# Allegro board 6089-119-RevB_08.brd (continued)
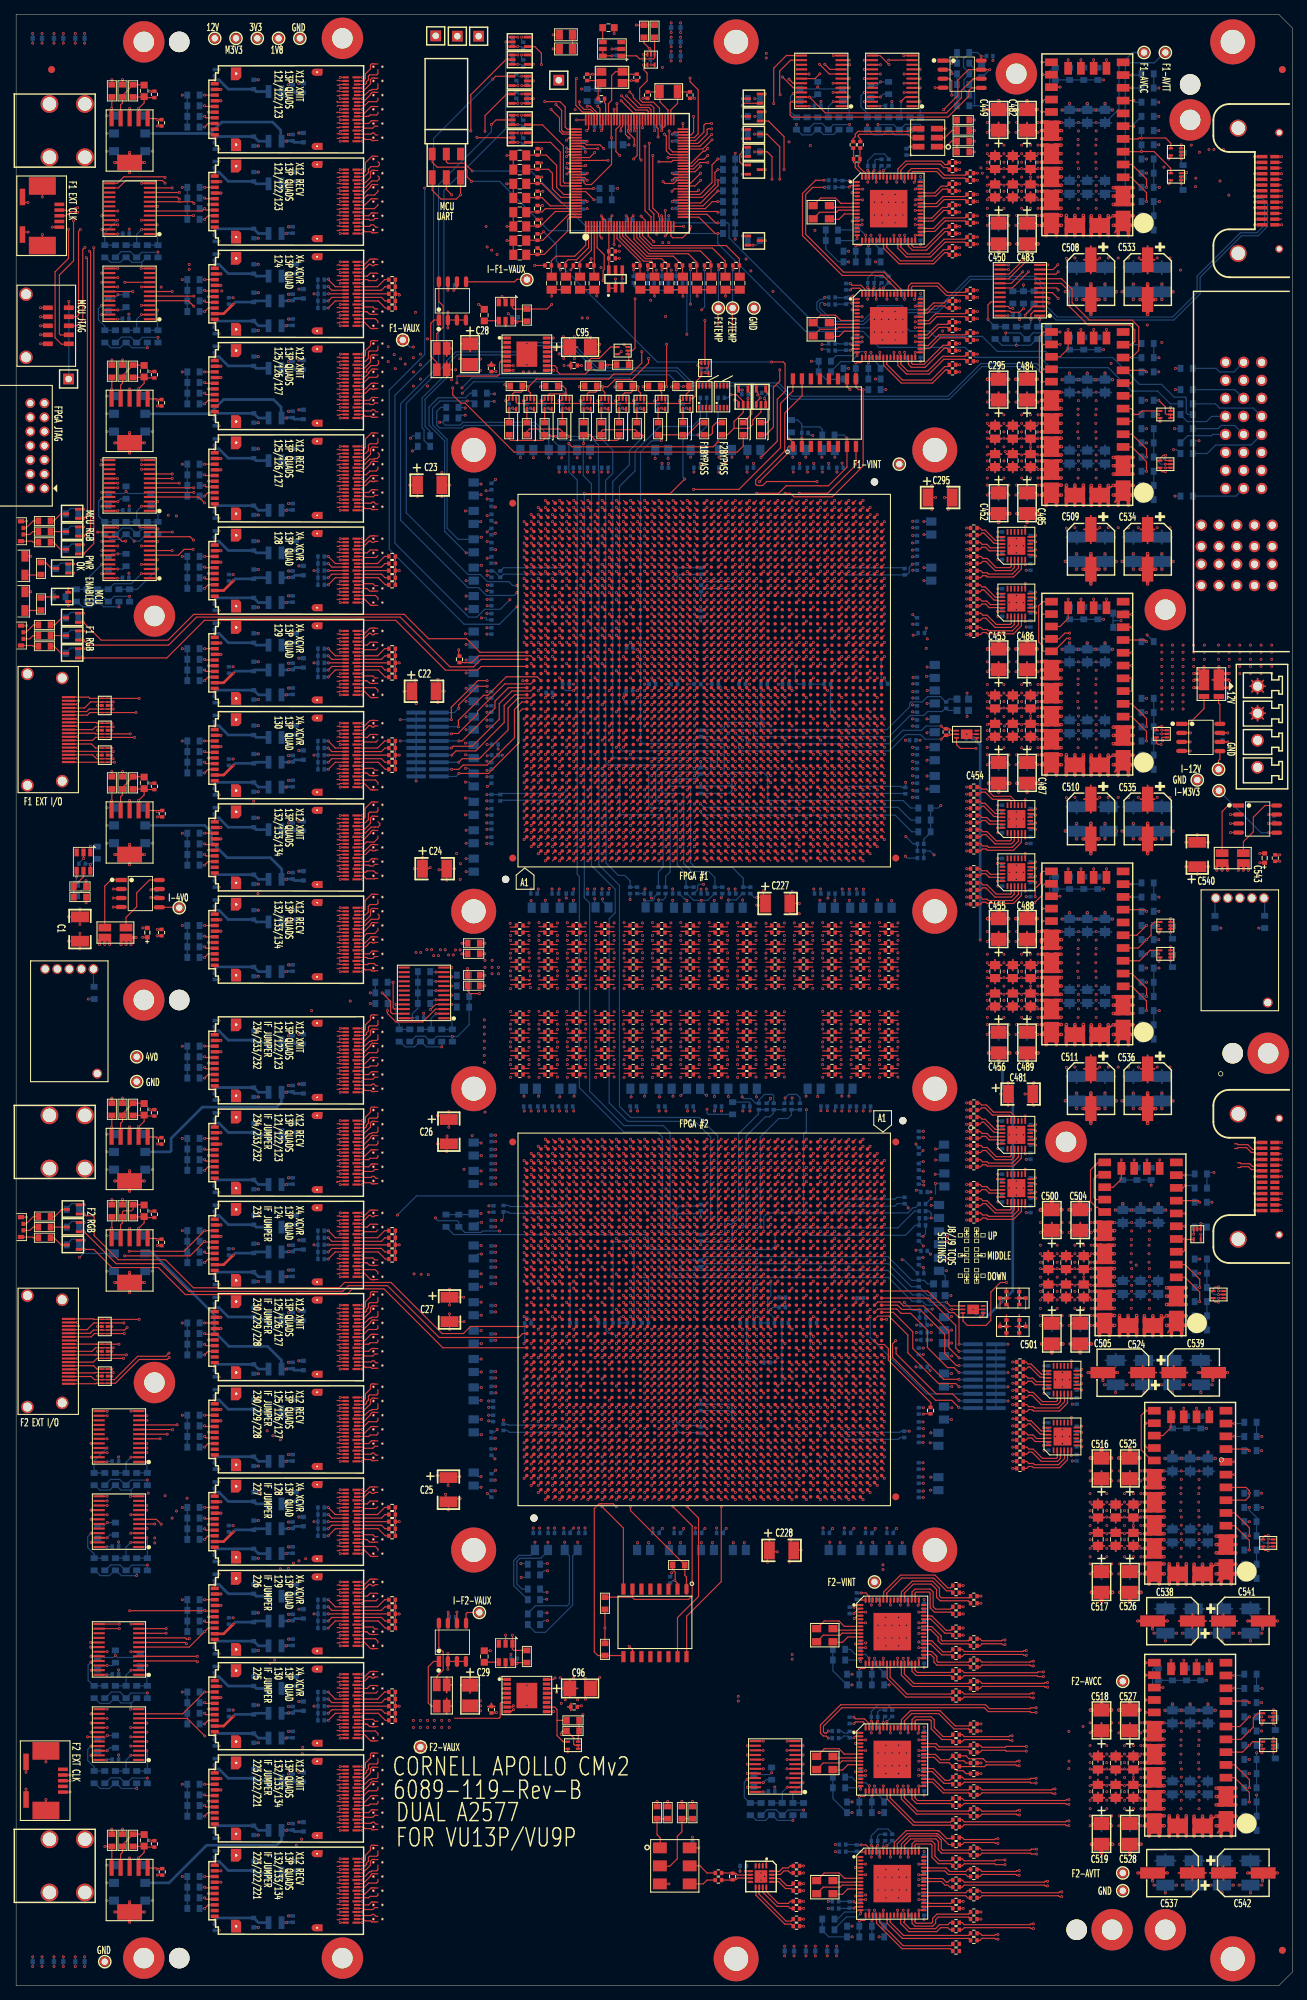
[diagram p0: board, top side]
## Routing (per net, layer and track width the routed paths; a pad name or vN(x,y) marks a point on that pad's centre or on a via; arc(x,y) is an arc through that point) (continued)
  BOTTOM w0.165: v1(12.07,198.97) 12.44,198.97 R661.1
N9079797: length 17.8
  TOP w0.165: U14.20 v1(12.07,249.43) ; U15.22 v1(14.33,236.12)
  SIG1 w0.079: v1(14.33,236.12) 13.8,236.66 13.8,247.69 v1(12.07,249.43)
  BOTTOM w0.165: v1(14.33,236.12) 15.09,236.12 R639.1
N9079819: length 19.2
  TOP w0.165: U14.19 v1(14.33,250.07) ; U15.23 v1(12.07,235.47)
  SIG2 w0.079: v1(12.07,235.47) 12.47,235.47 12.75,235.75 12.75,248.49 v1(14.33,250.07)
  BOTTOM w0.165: v1(12.07,235.47) 12.44,235.47 R659.1
N9085638: length 11.3
  TOP w0.165: C154.1 91.75,241.06 91.75,242.2 R125.2 91,243.35 88.7,243.35 85.5,246.55 U68.14
N9085714: length 12.6
  TOP w0.165: C155.1 93.95,240.86 R127.2 92.65,243.7 88.9,243.7 85.9,246.7 U68.15
N9085979: length 8.5
  TOP w0.165: U68.12 84.7,246.2 87.95,242.95 R118.2 87.95,240.86 C135.1
N9086055: length 9.9
  TOP w0.165: C137.1 89.75,241.06 89.75,242.2 R121.2 89.7,242.65 89.7,242.83 89.53,243 88.45,243 85.1,246.35 U68.13
N9089056: length 10.2
  TOP w0.165: C41.1 71.96,243.95 R92.2 74.45,243.95 77.75,247.25 77.75,248.9 78.05,249.2 U68.128
N9089132: length 8.6
  TOP w0.165: U68.127 77.9,249.6 74.25,245.95 R91.2 71.96,245.95 C40.1
N9089208: length 8
  TOP w0.165: U68.126 76,250 73.9,247.9 73.55,247.9 R90.2 71.96,247.95 C39.1
N9089284: length 7.3
  TOP w0.165: C38.1 71.96,249.95 R89.2 74.15,249.95 74.6,250.4 U68.125
N9089360: length 7.6
  TOP w0.165: U68.124 75.3,250.8 74.15,251.95 R88.2 71.96,251.95 C37.1
N9089436: length 8.2
  TOP w0.165: U68.123 76.85,251.2 74.1,253.95 R87.2 71.96,253.95 C36.1
N9090009: length 10
  TOP w0.165: U68.121 76.8,252 75.6,253.2 75.6,255.4 75.05,255.95 R86.2 71.96,255.95 C35.1
N9090085: length 11.2
  TOP w0.165: C34.1 71.96,257.95 R85.2 74.73,257.95 76.2,256.48 76.2,253.4 77.2,252.4 U68.120
N9090161: length 7.1
  TOP w0.165: U68.4 81.5,242.45 R104.2 81.45,240.86 C98.1
N9090237: length 7.8
  TOP w0.165: U68.3 81.1,244.55 79.45,242.9 R102.2 79.45,240.86 C94.1
N9090313: length 9.2
  TOP w0.165: C75.1 77.45,240.86 R96.2 77.45,242.85 77.8,243.2 79,243.2 80.7,244.9 U68.2
N9090389: length 10.7
  TOP w0.165: U68.1 80.3,245.25 78.75,243.7 76.1,243.7 75.45,243.05 R94.2 75.45,240.86 C74.1
N9091494: length 15.3
  TOP w0.165: U84.18 112.62,268.73 v1(113.3,269.4) ; U88.22 v1(121.83,266.12)
  SIG3 w0.079: v1(121.83,266.12) 121.81,266.1 119.28,266.1 115.98,269.4 v1(113.3,269.4)
  BOTTOM w0.165: v1(121.83,266.12) 122.24,266.54 R315.1
N9091498: length 12.8
  TOP w0.165: 120.7,265.48 v1(119.57,265.48) ; U84.17 v1(111.78,269.38)
  SIG3 w0.079: v1(111.78,269.38) 112.03,269.38 115.92,265.48 v1(119.57,265.48)
  BOTTOM w0.165: v1(119.57,265.48) 120.13,266.04 R332.1
N9091502: length 399.1
  TOP w0.165: U83.22 v1(105.33,28.62) ; v1(108.04,268.95) 109.57,267.43 U84.20
  PWR3 w0.152: v1(40.4,33.6) 40.5,33.6 40.75,33.35 54.7,33.35 59.42,28.62 v1(105.33,28.62)
  PWR4 w0.152: v1(108.04,268.95) 107.64,269.35 81.79,269.35 81.41,269.73 81.09,269.73 80.8,269.44 50.36,269.44 49.38,270.43 28.43,270.43 25.35,267.35 25.35,251.46 25.49,251.32 25.49,250.98 25.35,250.84 25.35,249.65 25.41,249.59 25.41,249.26 25.35,249.2 25.35,238.35 25.46,238.24 25.46,237.91 25.35,237.8 25.35,236.92 25.46,236.82 25.46,236.48 25.35,236.38 25.35,211.35 25.46,211.24 25.46,210.91 25.35,210.8 25.35,210.7 25.46,210.59 25.46,210.26 25.35,210.15 25.35,203.92 25.41,203.87 25.41,203.53 25.35,203.48 25.35,202.57 25.36,202.57 25.36,202.23 25.35,202.23 25.35,56.55 25.96,55.94 25.96,46.39 38.75,33.6 v1(40.4,33.6)
  BOTTOM w0.165: v1(105.33,28.62) 105.74,29.04 R392.1
N9091508: length 401.8
  TOP w0.165: U84.19 109.53,268.07 v1(108.95,268.65) ; 104.2,27.98 v1(103.1,27.98)
  PWR3 w0.152: v1(103.1,27.98) 55.48,27.98 52.1,31.35 50.3,31.35 48.95,32.7 v1(40.35,32.7)
  PWR4 w0.152: v1(40.35,32.7) 37.6,32.7 24.83,45.47 24.83,49.09 24.7,49.22 24.7,79.2 24.08,79.82 24.08,80.12 24.09,80.13 24.09,80.67 24.08,80.68 24.08,93.12 24.09,93.13 24.09,93.67 24.08,93.68 24.08,106.12 24.09,106.13 24.09,106.67 24.08,106.68 24.08,119.12 24.09,119.13 24.09,119.67 24.08,119.68 24.08,135.12 21.18,138.02 21.18,139.88 24.08,142.78 24.08,188.12 24.09,188.13 24.09,188.67 24.08,188.68 24.08,201.12 24.09,201.13 24.09,201.67 24.08,201.68 24.08,209.72 23.9,209.9 23.9,267.05 27.9,271.05 50.69,271.05 50.83,271.19 52.21,271.19 53.15,270.25 87.9,270.25 88.3,269.85 107.75,269.85 v1(108.95,268.65)
  BOTTOM w0.165: R406.1 103.16,28.04 v1(103.1,27.98)
N9281788: length 8.6
  TOP w0.165: U77.AR20 v1(87.61,100.29)
  BOTTOM w0.165: v1(87.61,100.29) 88.1,99.8 89.05,99.8 89.15,99.7 R445.2
N9328942: length 43.3
  TOP w0.165: U75.AH19 v1(99.39,176.51)
  SIG1 w0.079: v1(99.39,176.51) 99.88,177 122.65,177 124.85,174.8 124.85,162.48 v1(125.41,161.91)
  BOTTOM w0.165: R306.2 R305.1 126.45,160.9 125.42,161.93 125.42,161.91 v1(125.41,161.91)
N9329074: length 41.7
  TOP w0.165: U75.AJ18 v1(100.39,175.51)
  SIG1 w0.079: v1(125.36,159.16) 124,160.51 124,173.55 122.55,175 100.9,175 v1(100.39,175.51)
  BOTTOM w0.165: R307.2 125.6,158.9 125.35,159.15 125.35,159.16 v1(125.36,159.16)
N9329322: length 41.1
  TOP w0.165: U75.AG19 v1(98.39,176.51)
  BOTTOM w0.165: C890.1 96.6,176.95 98,176.95 98.39,176.56 98.39,176.54 ; 98.39,176.54 v1(98.39,176.51) ; 98.39,176.54 98.85,177 99.55,177 99.85,177.3 99.85,177.8 100.05,178 104.55,178 104.9,177.65 104.9,177.3 105.2,177 122.75,177 125.95,180.2 125.95,180.71 126.14,180.9 127.75,180.9 128.5,181.65 130.3,181.65 131.05,180.9 C715.1 131.5,181.3 L1.2
N9329407: length 41
  TOP w0.165: U75.AH18 v1(99.39,175.51) ; U75.AG18 v1(98.39,175.51) ; U75.AJ19 v1(100.39,176.51)
  BOTTOM w0.165: C890.2 97.9,176 v1(98.39,175.51) v1(99.39,175.51) v1(100.39,176.51) 100.41,176.51 100.85,176.95 103.65,176.95 103.95,176.65 103.95,176.17 104.12,176 123.05,176 126.04,178.99 127.94,178.99 128.5,179.55 130.55,179.55 131,180 C715.2 131.4,179.7 L2.2
N9543401: length 6.9
  TOP w0.165: U102.21 137.43,237.28 137,236.85 v1(137,234.8)
  BOTTOM w0.165: R286.1 R287.2 137,234.76 v1(137,234.8)
N9543477: length 4.9
  TOP w0.165: v1(143.05,234.8) 143.05,235.55 143.47,235.97 U102.2
  BOTTOM w0.165: R284.2 R282.1 143.05,234.31 v1(143.05,234.8)
N9543553: length 3.2
  TOP w0.165: 144.3,235.32 v1(144.3,234.8)
  BOTTOM w0.165: v1(144.3,234.8) 144.3,234.06 R268.2 R267.1
N9544090: length 6.6
  TOP w0.165: U84.21 109.72,266.77 v1(109.55,266.6)
  BOTTOM w0.165: v1(109.55,266.6) 109.15,266.2 109.15,264.05 109.94,263.26 R381.2 R376.1
N9544166: length 5.1
  TOP w0.165: 116.3,265.48 v1(115.2,265.48)
  BOTTOM w0.165: v1(115.2,265.48) 114.5,264.78 R366.1 R374.2
N9544242: length 4.2
  TOP w0.165: U84.1 v1(117.43,264.82)
  BOTTOM w0.165: v1(117.43,264.82) 117.43,263.33 R345.1 R359.2
N9547158: length 6.1
  TOP w0.165: U83.3 v1(110.93,28.62)
  BOTTOM w0.165: v1(110.93,28.62) 109.5,27.19 R382.2 R378.1
N9547234: length 5.1
  TOP w0.165: 109.8,27.98 v1(108.7,27.98)
  BOTTOM w0.165: v1(108.7,27.98) 108,27.28 R390.1 R393.2
N9547310: length 6.6
  TOP w0.165: v1(103.05,29.1) 103.22,29.27 U83.21
  BOTTOM w0.165: v1(103.05,29.1) 102.65,28.7 102.65,26.55 103.44,25.76 R408.2 R398.1
N9547925: length 5.7
  TOP w0.165: U88.3 125.36,266.12 v1(124.74,265.51)
  BOTTOM w0.165: R316.2 R314.1 124.74,263.51 v1(124.74,265.51)
N9548001: length 4.9
  TOP w0.165: 126.3,265.48 127.38,265.48 127.4,265.5 v1(127.43,265.5)
  BOTTOM w0.165: v1(127.43,265.5) 127.45,265.48 127.45,263.31 R304.1 R309.2
N9548077: length 6.7
  TOP w0.165: U88.21 v1(119.57,266.77)
  BOTTOM w0.165: v1(119.57,266.77) 119.1,266.31 119.1,264.75 120,263.85 R335.2 R318.1
N9548614: length 6.3
  TOP w0.165: v1(53.57,138.28) U44.21
  BOTTOM w0.165: R493.1 R494.2 54,135.5 53.57,135.93 v1(53.57,138.28)
N9548690: length 5.1
  TOP w0.165: U44.2 v1(59.2,136.97)
  BOTTOM w0.165: R492.2 R485.1 58.5,136.28 v1(59.2,136.97)
N9548766: length 4.2
  TOP w0.165: 60.3,136.32 v1(61.43,136.32)
  BOTTOM w0.165: v1(61.43,136.32) 61.43,134.83 R482.1 R484.2
N9549273: length 6.9
  TOP w0.165: U14.21 v1(14.3,248.78)
  BOTTOM w0.165: v1(14.3,248.78) 12.5,246.97 R663.2 R649.1
N9549349: length 5.1
  TOP w0.165: U14.2 v1(17.7,247.47)
  BOTTOM w0.165: v1(17.7,247.47) 17,246.78 R630.1 R638.2
N9549425: length 4.2
  TOP w0.165: 18.8,246.82 v1(19.93,246.82)
  BOTTOM w0.165: R622.2 R618.1 19.93,245.33 v1(19.93,246.82)
N9549980: length 6.6
  TOP w0.165: v1(12.05,209.6) 12.22,209.78 U17.21
  BOTTOM w0.165: v1(12.05,209.6) 11.65,209.2 11.65,207.05 12.44,206.26 R665.2 R651.1
N9550056: length 5.1
  TOP w0.165: U17.2 v1(17.7,208.47)
  BOTTOM w0.165: R642.2 R632.1 17,207.78 v1(17.7,208.47)
N9550132: length 4.2
  TOP w0.165: 18.8,207.82 v1(19.93,207.82)
  BOTTOM w0.165: R624.2 R620.1 20,207.76 v1(19.93,207.82)
N9550687: length 7.7
  TOP w0.165: U18.3 v1(19.93,199.62)
  BOTTOM w0.165: R648.2 R637.1 17.07,196.76 v1(19.93,199.62)
N9550763: length 8.2
  TOP w0.165: U18.2 v1(17.67,198.97)
  BOTTOM w0.165: R670.2 R662.1 13.01,196.76 13.8,197.55 16.24,197.55 v1(17.67,198.97)
N9550839: length 7
  TOP w0.165: U18.21 v1(12.07,200.28)
  BOTTOM w0.165: v1(12.07,200.28) 10,198.21 R680.1 R681.2
N9551394: length 5.5
  TOP w0.165: U15.3 v1(19.93,236.12)
  BOTTOM w0.165: R623.2 R619.1 19.93,233.33 v1(19.93,236.12)
N9551470: length 5.1
  TOP w0.165: U15.2 v1(17.67,235.47)
  BOTTOM w0.165: v1(17.67,235.47) 17,234.81 R631.1 R640.2
N9551546: length 6.7
  TOP w0.165: U15.21 v1(12.07,236.78)
  BOTTOM w0.165: v1(12.07,236.78) 11.6,236.31 11.6,234.75 12.5,233.85 R664.2 R650.1
N9927204: length 7.8
  TOP w0.165: R122.1 U70.1 90,271.65 89.85,271.5 87.9,271.5 87.47,271.93 U64.1
N12333393: length 4.6
  TOP w0.165: v1(159.35,149.4) 157.97,148.03 U108.7
  BOTTOM w0.165: R236.1 v1(159.35,149.4)
N13337343: length 14.1
  TOP w0.165: C173.1 95.95,240.86 R130.2 95.95,242.85 94.75,244.05 89.15,244.05 87.1,246.1 U68.18
N13337502: length 15.6
  TOP w0.165: U68.19 87.5,246.3 89.35,244.45 96.45,244.45 97.95,242.95 R132.2 97.95,240.86 C174.1
N13337662: length 17.2
  TOP w0.165: U68.20 87.9,246.45 89.5,244.85 98.15,244.85 99.95,243.05 R133.2 99.95,240.86 C193.1
N13337823: length 18.9
  TOP w0.165: C194.1 101.95,240.86 R136.2 101.95,243.35 100.1,245.2 89.7,245.2 88.3,246.6 U68.21
N13727369: length 2
  TOP w0.165: U64.4 82.69,273.88 C115.1
N13828637: length 2.6
  TOP w0.165: Q5.3 6.25,202.4 5.25,203.4 R5.1
N13828747: length 2.2
  TOP w0.165: R4.1 Q4.3
N13828857: length 2.6
  TOP w0.165: R3.1 5.3,206.4 6.3,207.4 Q3.3
N13829314: length 2.7
  TOP w0.165: R8.1 5.35,188.75 6.35,187.75 Q8.3 7.15,187.75
N13829424: length 2.3
  TOP w0.165: R7.1 Q7.3 7.15,190.25
N13829534: length 2.7
  TOP w0.165: 7.15,192.75 Q6.3 6.45,192.75 5.45,191.75 R6.1
N13830015: length 2.7
  TOP w0.165: Q11.3 6.35,104.4 5.35,105.4 R11.1
N13830125: length 2.3
  TOP w0.165: R10.1 Q10.3
N13830235: length 2.7
  TOP w0.165: Q9.3 6.45,109.4 5.45,108.4 R9.1
N13855428: length 2.5
  TOP w0.165: R5.2 2.4,203.4 2.25,203.55 D1.4
N13855430: length 2.3
  TOP w0.165: R4.2 2.35,204.9 1.94,204.49 D1.2
N13855432: length 2.5
  TOP w0.165: D1.1 1.41,205.41 2.4,206.4 R3.2
N13855604: length 2.5
  TOP w0.165: D2.4 2.3,188.85 2.42,188.73 3.12,188.73 R8.2
N13855606: length 2.3
  TOP w0.165: D2.2 1.94,189.79 2.4,190.25 R7.2
N13855608: length 2.5
  TOP w0.165: R6.2 2.45,191.75 1.41,190.71 D2.1
N13855686: length 2.5
  TOP w0.165: D3.4 2.3,105.5 2.42,105.38 3.12,105.38 R11.2
N13855688: length 2.3
  TOP w0.165: D3.2 1.94,106.44 2.4,106.9 R10.2
N13855690: length 2.5
  TOP w0.165: R9.2 2.45,108.4 1.41,107.36 D3.1
N13910342: length 6.2
  TOP w0.165: 156.05,178.82 157.28,178.82 159.35,176.75 v1(159.35,175.4)
  BOTTOM w0.165: R230.1 v1(159.35,175.4)
N13910346: length 6
  TOP w0.165: U107.4 157.28,180.62 159.35,178.55 159.35,177.4 v1(159.35,177.4)
  BOTTOM w0.165: R229.1 v1(159.35,177.4)
N13914390: length 6.2
  TOP w0.165: 156.05,216.82 157.28,216.82 159.35,214.75 v1(159.35,213.4)
  BOTTOM w0.165: R223.1 v1(159.35,213.4)
N13914416: length 6
  TOP w0.165: U106.4 157.28,218.62 159.35,216.55 159.35,215.4 v1(159.35,215.4)
  BOTTOM w0.165: R222.1 v1(159.35,215.4)
N13914806: length 6.2
  TOP w0.165: v1(159.35,137.4) 159.35,138.75 157.28,140.82 156.05,140.82
  BOTTOM w0.165: R242.1 v1(159.35,137.4)
N13914832: length 6
  TOP w0.165: v1(159.35,139.4) 159.35,139.4 159.35,140.55 157.28,142.62 U108.4
  BOTTOM w0.165: R241.1 v1(159.35,139.4)
N14558092: length 10.8
  BOTTOM w0.165: R191.1 167.9,215.9 169.1,217.1 174.08,217.1 P1.4
N14558100: length 10.4
  BOTTOM w0.165: P1.5 174.4,222.3 169.65,222.3 169.05,222.9 R187.1
N14558108: length 6.8
  BOTTOM w0.165: P1.20 168.69,218.59 168.5,218.4 165.15,218.4 164.15,217.4 R190.1
N14558116: length 7.1
  BOTTOM w0.165: R188.1 164.14,221.36 165.1,220.4 167.8,220.4 168.53,221.13 P1.21
N15819212: length 36.3
  TOP w0.165: U77.AG19 v1(95.61,101.29)
  BOTTOM w0.165: v1(95.61,101.29) 95.62,101.3 C892.1 96.75,101.3 97.2,101.75 122.95,101.75 126.2,98.5 C767.1 127.3,98.5 128.55,97.25 L4.2
N15819268: length 39.7
  TOP w0.165: U77.AG18 v1(95.61,102.29) ; U77.AH18 v1(94.61,102.29) ; U77.AJ19 v1(93.61,101.29)
  BOTTOM w0.165: L3.2 128.5,98.9 128,99.4 C767.2 126.25,99.4 122.9,102.75 97.1,102.75 96.55,102.2 C892.2 95.7,102.2 v1(95.61,102.29) v1(94.61,102.29) v1(93.61,101.29)
N15819368: length 38.2
  TOP w0.165: U77.AH19 v1(94.61,101.29)
  SIG1 w0.079: v1(94.61,101.29) 95.05,100.85 122.95,100.85 125.2,98.6 v1(125.2,96.3)
  BOTTOM w0.165: v1(125.2,96.3) 126.35,95.15 R298.1 R299.2
N15819380: length 35.2
  TOP w0.165: U77.AJ18 v1(93.61,102.29)
  SIG1 w0.079: v1(93.61,102.29) 94.07,102.75 124.45,102.75 v1(124.9,102.3)
  BOTTOM w0.165: v1(124.9,102.3) 125.15,102.3 R308.2
N15937677: length 33.9
  TOP w0.165: U94.1 131.85,176.85 131.6,177.1 C296.1 130.8,177.1 v1(130.4,177.5) ; U75.AK19 v1(101.39,176.51)
  BOTTOM w0.165: v1(101.39,176.51) 101.9,176 102.7,176 102.95,175.75 102.95,175.35 103.3,175 123.1,175 125,176.9 127.65,176.9 128.25,177.5 v1(130.4,177.5)
N15937681: length 34.3
  TOP w0.165: v1(130.4,175.65) 130.95,176.2 C296.2 131.65,176.2 131.8,176.35 U94.2 ; U75.AK18 v1(101.39,175.51)
  BOTTOM w0.165: v1(101.39,175.51) 101.85,175.05 101.85,174.4 102.25,174 123.1,174 125.4,176.3 127.5,176.3 128.15,175.65 v1(130.4,175.65)
N15955233: length 9.7
  TOP w0.165: U75.BE42 v1(116.39,200.29)
  BOTTOM w0.165: v1(116.39,200.29) 116.41,200.29 116.9,199.8 125.15,199.8 R311.2
N15956486: length 10.3
  TOP w0.165: U75.G42 v1(77.61,200.29)
  BOTTOM w0.165: v1(77.61,200.29) 77.12,199.8 68.7,199.8 R471.2
N15957727: length 5.8
  TOP w0.165: U75.AK40 v1(101.39,198.29)
  BOTTOM w0.165: v1(101.39,198.29) 100.95,197.85 97.05,197.85 R425.2
N15962540: length 6.5
  TOP w0.165: U75.AK12 v1(101.39,169.51)
  BOTTOM w0.165: R427.2 100.55,168 100.9,168.35 100.9,168.65 101.39,169.14 v1(101.39,169.51)
N15962838: length 10.1
  TOP w0.165: U75.G10 v1(77.61,167.51)
  BOTTOM w0.165: R472.2 68.35,167.05 77.15,167.05 v1(77.61,167.51)
N15963136: length 9.7
  TOP w0.165: U75.BE10 v1(116.39,167.51)
  BOTTOM w0.165: R310.2 125.3,168 116.9,168 116.41,167.51 v1(116.39,167.51)
N15963442: length 5
  TOP w0.165: U75.AB12 v1(92.61,169.51)
  BOTTOM w0.165: v1(92.61,169.51) 93.01,169.51 93.55,170.05 95.8,170.05 R426.2
N15987882: length 6.2
  TOP w0.165: U105.3 157.18,254.82 159.35,252.65 v1(159.35,251.4)
  BOTTOM w0.165: R212.1 v1(159.35,251.4)
N15988054: length 6
  TOP w0.165: v1(159.35,253.4) 159.35,253.4 159.35,254.55 157.28,256.62 U105.4
  BOTTOM w0.165: R211.1 v1(159.35,253.4)
N15988666: length 3.3
  TOP w0.165: U105.7 v1(157.54,262.02)
  BOTTOM w0.165: R206.1 157.55,262.31 157.55,262.02 v1(157.54,262.02)
N15988764: length 2.7
  TOP w0.165: U105.9 v1(157.55,265.62)
  BOTTOM w0.165: R205.1 157.78,265.4 v1(157.55,265.62)
N15988914: length 2.6
  TOP w0.165: 151.9,270.18 v1(151.9,271.38)
  BOTTOM w0.165: R249.1 151.9,270.86 v1(151.9,271.38)
N15988918: length 2.4
  TOP w0.165: 148.3,270.18 v1(148.3,271.38)
  BOTTOM w0.165: R261.1 148.3,270.46 v1(148.3,271.38)
N15989022: length 2.5
  TOP w0.165: 150.1,270.18 v1(150.1,271.38)
  BOTTOM w0.165: R253.1 150.1,270.66 v1(150.1,271.38)
N15989026: length 5.8
  TOP w0.165: U105.19 v1(147.15,267.52)
  BOTTOM w0.165: R265.1 146.16,270.26 145.7,269.8 145.7,267.8 145.97,267.52 v1(147.15,267.52)
N16010092: length 5.5
  TOP w0.165: U77.AK40 v1(92.61,79.51)
  BOTTOM w0.165: v1(92.61,79.51) 92.61,79.14 93.1,78.65 93.1,78.35 93.5,77.95 96.4,77.95 96.5,77.85 R431.2
N16010100: length 5.6
  TOP w0.165: U77.AK12 v1(92.61,108.29)
  BOTTOM w0.165: R428.2 96.25,109.85 93.5,109.85 93.05,109.4 93.05,109.15 92.61,108.71 v1(92.61,108.29)
N16011178: length 9.7
  TOP w0.165: U77.G42 v1(116.39,77.51)
  BOTTOM w0.165: v1(116.39,77.51) 116.44,77.51 116.95,77 124.35,77 124.6,77.25 R313.2
N16011186: length 9.7
  TOP w0.165: U77.G10 v1(116.39,110.29)
  BOTTOM w0.165: R312.2 124.15,111.1 123.9,110.85 117,110.85 116.44,110.29 v1(116.39,110.29)
N16012206: length 9.8
  TOP w0.165: U77.BE42 v1(77.61,77.51)
  BOTTOM w0.165: R470.2 69.25,78.25 69.5,78 77.1,78 77.59,77.51 v1(77.61,77.51)
N16012214: length 9.7
  TOP w0.165: U77.BE10 v1(77.61,110.29)
  BOTTOM w0.165: v1(77.61,110.29) 77.61,110.26 77.15,109.8 69.6,109.8 69.45,109.95 R469.2
N16013234: length 6.5
  TOP w0.165: U77.AB40 v1(101.39,79.51)
  BOTTOM w0.165: v1(101.39,79.51) 101.39,79.81 100.87,80.33 100.87,80.68 100.5,81.05 R430.2
N16013242: length 7.5
  TOP w0.165: U77.AB12 v1(101.39,108.29)
  BOTTOM w0.165: R429.2 99.7,105.85 99.9,106.05 99.9,107.75 100,107.85 100.95,107.85 v1(101.39,108.29)
N16018066: length 11.9
  TOP w0.254: R73.2 60.7,231.78 ; R73.2 60.7,229.62 ; R73.2 61.42,230.7 ; C28.1 64,232.45 ; C28.1 62.7,231.36 ; C28.1 64,230.27 ; C28.1 65.3,231.36 ; 69,233.87 U47.5 ; C32.1 67.48,228.35 ; C32.1 66.52,228.35 ; C32.1 67,228.78 ; 68.51,230.88 U56.3 ; 68.51,230.22 U56.4 ; 68.51,229.57 U56.5
N16073437: length 2
  TOP w0.165: R98.2 R99.1
N16073441: length 38.8
  TOP w0.165: R118.1 v1(87.05,241.79) ; R99.2 v1(75.71,272.9)
  SIG2 w0.079: v1(87.05,241.79) 85.96,241.79 81.03,246.72 81.03,267.58 v1(75.71,272.9)
  BOTTOM w0.165: R447.1 v1(87.05,241.79)
N16073676: length 2.5
  TOP w0.165: R121.1 v1(89.05,241.79)
  BOTTOM w0.165: R444.1 R443.2 v1(89.05,241.79)
N16253461: length 2.5
  TOP w0.165: R125.1 v1(91.05,241.79)
  BOTTOM w0.165: R440.1 R439.2 v1(91.05,241.79)
N16486817: length 6.2
  TOP w0.165: U118.3 171.78,29.32 173.85,27.25 v1(173.85,25.9)
  BOTTOM w0.165: R169.1 v1(173.85,25.9)
N16486989: length 6
  TOP w0.165: U118.4 171.78,31.12 173.85,29.05 173.85,27.9 v1(173.85,27.9)
  BOTTOM w0.165: R168.1 v1(173.85,27.9)
N16487613: length 4.6
  TOP w0.165: v1(173.85,37.9) 172.47,36.52 U118.7
  BOTTOM w0.165: R163.1 v1(173.85,37.9)
N16487671: length 4.1
  TOP w0.165: v1(173.85,39.9) 173.62,40.12 U118.9
  BOTTOM w0.165: R162.1 v1(173.85,39.9)
N16487743: length 2.6
  TOP w0.165: U118.14 v1(166.4,45.88)
  BOTTOM w0.165: v1(166.4,45.88) 166.4,45.36 R184.1
N16487747: length 2.4
  TOP w0.165: U118.16 v1(162.8,45.88)
  BOTTOM w0.165: R200.1 162.8,44.96 v1(162.8,45.88)
N16487811: length 2.5
  TOP w0.165: U118.15 v1(164.6,45.88)
  BOTTOM w0.165: v1(164.6,45.88) 164.6,45.16 R194.1
N16487815: length 5.9
  TOP w0.165: U118.19 v1(161.65,42.02)
  BOTTOM w0.165: R201.1 160.37,44.76 160.2,44.6 160.2,42.3 160.47,42.02 v1(161.65,42.02)
N16487961: length 11.9
  TOP w0.254: 62.7,42.36 C29.1 ; C29.1 64,43.45 ; C29.1 65.3,42.36 ; C29.1 64,41.27 ; 60.7,41.32 R74.2 ; R74.2 60.7,43.48 ; R74.2 61.42,42.4 ; C33.1 67,39.78 ; C33.1 66.52,39.35 ; C33.1 67.48,39.35 ; 68.51,41.23 U57.4 ; 68.51,40.58 69.22,40.58 ; 69,44.87 U48.5 ; 68.51,41.88 U57.3
N16510239: length 6.2
  TOP w0.165: U117.3 171.78,64.83 173.85,62.75 v1(173.85,61.4)
  BOTTOM w0.165: R157.1 v1(173.85,61.4)
N16510407: length 6
  TOP w0.165: v1(173.85,63.4) 173.85,63.4 173.85,64.55 171.78,66.62 U117.4
  BOTTOM w0.165: R156.1 v1(173.85,63.4)
N16510857: length 40.3
  TOP w0.165: U117.8 v1(171.75,73.83) ; U109.8 v1(164.75,108.83)
  SIG2 w0.079: v1(164.75,108.83) 164.75,108.65 169,104.4 169,85.46 169.3,85.16 169.3,76.28 v1(171.75,73.83)
N16510907: length 40.3
  TOP w0.165: U109.7 v1(164.75,107.03) ; U117.7 v1(171.75,72.03)
  SIG2 w0.079: v1(164.75,107.03) 164.75,106.65 167.4,104 167.4,77.05 171.75,72.7 171.75,72.03 v1(171.75,72.03)
N16510987: length 4.1
  TOP w0.165: v1(173.85,75.4) 173.62,75.62 U117.9
  BOTTOM w0.165: R152.1 v1(173.85,75.4)
N16511071: length 2.6
  TOP w0.165: U117.14 v1(166.4,81.38)
  BOTTOM w0.165: R183.1 166.4,80.86 v1(166.4,81.38)
N16511075: length 6.7
  TOP w0.165: v1(162.8,81.38) U117.16 162.8,78.67 161.65,77.53 U117.19
  BOTTOM w0.165: v1(162.8,81.38) 162.8,80.46 R199.1
N16511121: length 2.5
  TOP w0.165: U117.15 v1(164.6,81.38)
  BOTTOM w0.165: R193.1 164.6,80.66 v1(164.6,81.38)
N16512069: length 6.2
  TOP w0.165: U109.3 164.78,99.83 166.85,97.75 v1(166.85,96.4)
  BOTTOM w0.165: R180.1 v1(166.85,96.4)
N16512233: length 6
  TOP w0.165: v1(166.85,98.4) 166.85,98.4 166.85,99.55 164.78,101.62 U109.4
  BOTTOM w0.165: R179.1 v1(166.85,98.4)
N16512753: length 4.1
  TOP w0.165: v1(166.85,110.4) 166.62,110.62 U109.9
  BOTTOM w0.165: R175.1 v1(166.85,110.4)
N16512825: length 2.6
  TOP w0.165: U109.14 v1(159.4,116.38)
  BOTTOM w0.165: R202.1 159.4,115.86 v1(159.4,116.38)
N16512829: length 6.7
  TOP w0.165: U109.19 154.65,112.53 155.8,113.67 U109.16 v1(155.8,116.38)
  BOTTOM w0.165: v1(155.8,116.38) 155.8,115.46 R246.1
N16512881: length 2.5
  TOP w0.165: U109.15 v1(157.6,116.38)
  BOTTOM w0.165: R245.1 157.6,115.66 v1(157.6,116.38)
N16811923: length 3.4
  TOP w0.165: U36.B12 45,103.4 44.01,102.41 v1(44.01,102.4)
  BOTTOM w0.165: R522.2 v1(44.01,102.4)
N16811938: length 3.2
  TOP w0.165: v1(44.01,103.4) 44.51,103.9 U36.B11
  BOTTOM w0.165: R521.2 v1(44.01,103.4)
N16811953: length 3
  TOP w0.165: 44,104.4 v1(44.01,104.4) U36.B10
  BOTTOM w0.165: R520.2 v1(44.01,104.4)
N16811968: length 3.2
  TOP w0.165: v1(44.01,105.4) 44.51,104.9 U36.B9
  BOTTOM w0.165: R519.2 v1(44.01,105.4)
N16811983: length 3.4
  TOP w0.165: v1(44.01,106.4) 44.01,106.39 45,105.4 U36.B8
  BOTTOM w0.165: R518.2 v1(44.01,106.4)
N16811998: length 4.9
  TOP w0.165: R57.2 52.05,102.4 51.05,103.4 U36.A12
N16812013: length 4.7
  TOP w0.165: R56.2 52,103.4 51.5,103.9 U36.A11
N16812028: length 4.6
  TOP w0.165: U36.A10 R55.2
N16812043: length 4.7
  TOP w0.165: U36.A9 51.5,104.9 52,105.4 R54.2
N16812058: length 4.9
  TOP w0.165: U36.A8 50.95,105.4 51.95,106.4 R53.2
N16814977: length 3.4
  TOP w0.165: U40.B12 45,51.4 44.01,50.41 v1(44.01,50.4)
  BOTTOM w0.165: R532.2 v1(44.01,50.4)
N16814992: length 3.2
  TOP w0.165: v1(44.01,51.4) 44.51,51.9 U40.B11
  BOTTOM w0.165: R531.2 v1(44.01,51.4)
N16815007: length 3
  TOP w0.165: U40.B10 v1(44.01,52.4) 44,52.4
  BOTTOM w0.165: R530.2 v1(44.01,52.4)
N16815022: length 3.2
  TOP w0.165: U40.B9 44.51,52.9 v1(44.01,53.4)
  BOTTOM w0.165: R529.2 v1(44.01,53.4)
N16815037: length 3.4
  TOP w0.165: U40.B8 45,53.4 44.01,54.39 v1(44.01,54.4)
  BOTTOM w0.165: R528.2 v1(44.01,54.4)
N16815052: length 4.9
  TOP w0.165: U40.A12 51.05,51.4 52.05,50.4 R67.2
N16815067: length 4.7
  TOP w0.165: U40.A11 51.5,51.9 52,51.4 R66.2
N16815082: length 4.6
  TOP w0.165: U40.A10 R65.2
N16815097: length 4.7
  TOP w0.165: R64.2 52,53.4 51.5,52.9 U40.A9
N16815112: length 4.9
  TOP w0.165: U40.A8 50.95,53.4 51.95,54.4 R63.2
N16844266: length 3.4
  TOP w0.165: U41.B12 45,38.4 44.01,37.41 v1(44.01,37.4)
  BOTTOM w0.165: R537.2 v1(44.01,37.4)
N16844281: length 3.2
  TOP w0.165: U41.B11 44.51,38.9 v1(44.01,38.4)
  BOTTOM w0.165: R536.2 v1(44.01,38.4)
N16844296: length 3
  TOP w0.165: U41.B10 v1(44.01,39.4) 44,39.4
  BOTTOM w0.165: R535.2 v1(44.01,39.4)
N16844311: length 3.2
  TOP w0.165: v1(44.01,40.4) 44.51,39.9 U41.B9
  BOTTOM w0.165: R534.2 v1(44.01,40.4)
N16844326: length 3.4
  TOP w0.165: U41.B8 45,40.4 44.01,41.39 v1(44.01,41.4)
  BOTTOM w0.165: R533.2 v1(44.01,41.4)
N16844341: length 4.9
  TOP w0.165: R72.2 52.05,37.4 51.05,38.4 U41.A12
N16844356: length 4.7
  TOP w0.165: U41.A11 51.5,38.9 52,38.4 R71.2
N16844371: length 4.6
  TOP w0.165: U41.A10 R70.2
N16844386: length 4.7
  TOP w0.165: U41.A9 51.5,39.9 52,40.4 R69.2
N16844401: length 4.9
  TOP w0.165: U41.A8 50.95,40.4 51.95,41.4 R68.2
N16904665: length 6.9
  TOP w0.165: U9.21 v1(12.8,75.78)
  BOTTOM w0.165: v1(12.8,75.78) 11,73.97 R676.2 R666.1
N16904735: length 5.1
  TOP w0.165: U9.2 v1(16.2,74.47)
  BOTTOM w0.165: R652.2 R644.1 15.5,73.78 v1(16.2,74.47)
N16904825: length 4.2
  TOP w0.165: U9.1 v1(18.43,73.83)
  BOTTOM w0.165: R633.2 R625.1 18.43,72.33 v1(18.43,73.83)
N16904855: length 19
  TOP w0.165: U9.19 v1(12.83,77.08) ; U10.23 v1(10.57,62.48)
  SIG1 w0.079: v1(12.83,77.08) 11.85,76.09 11.85,63.7 10.62,62.48 v1(10.57,62.48)
  BOTTOM w0.165: R671.1 11.13,63.04 v1(10.57,62.48)
N16904857: length 21.5
  TOP w0.165: 11.7,76.42 v1(10.57,76.42) ; 11.7,63.12 v1(12.83,63.12)
  SIG1 w0.079: v1(12.83,63.12) 11.66,61.95 10.5,61.95 9.85,62.6 9.85,75.71 v1(10.57,76.42)
  BOTTOM w0.165: R653.1 13.24,63.54 v1(12.83,63.12)
N16905003: length 5.5
  TOP w0.165: 17.3,63.12 v1(18.43,63.12)
  BOTTOM w0.165: v1(18.43,63.12) 18.5,63.06 R626.1 R634.2
N16905053: length 5.1
  TOP w0.165: U10.2 v1(16.17,62.48)
  BOTTOM w0.165: v1(16.17,62.48) 15.5,61.81 R645.1 R654.2
N16905126: length 6.7
  TOP w0.165: U10.21 v1(10.57,63.77)
  BOTTOM w0.165: R667.1 R677.2 11,60.85 10.1,61.75 10.1,63.31 v1(10.57,63.77)
